# KiCad board chocofi-switch_plate.kicad_pcb
title: Chocofi; date: 2023-04-17; rev: 0.2; company: pashutk & krikun98
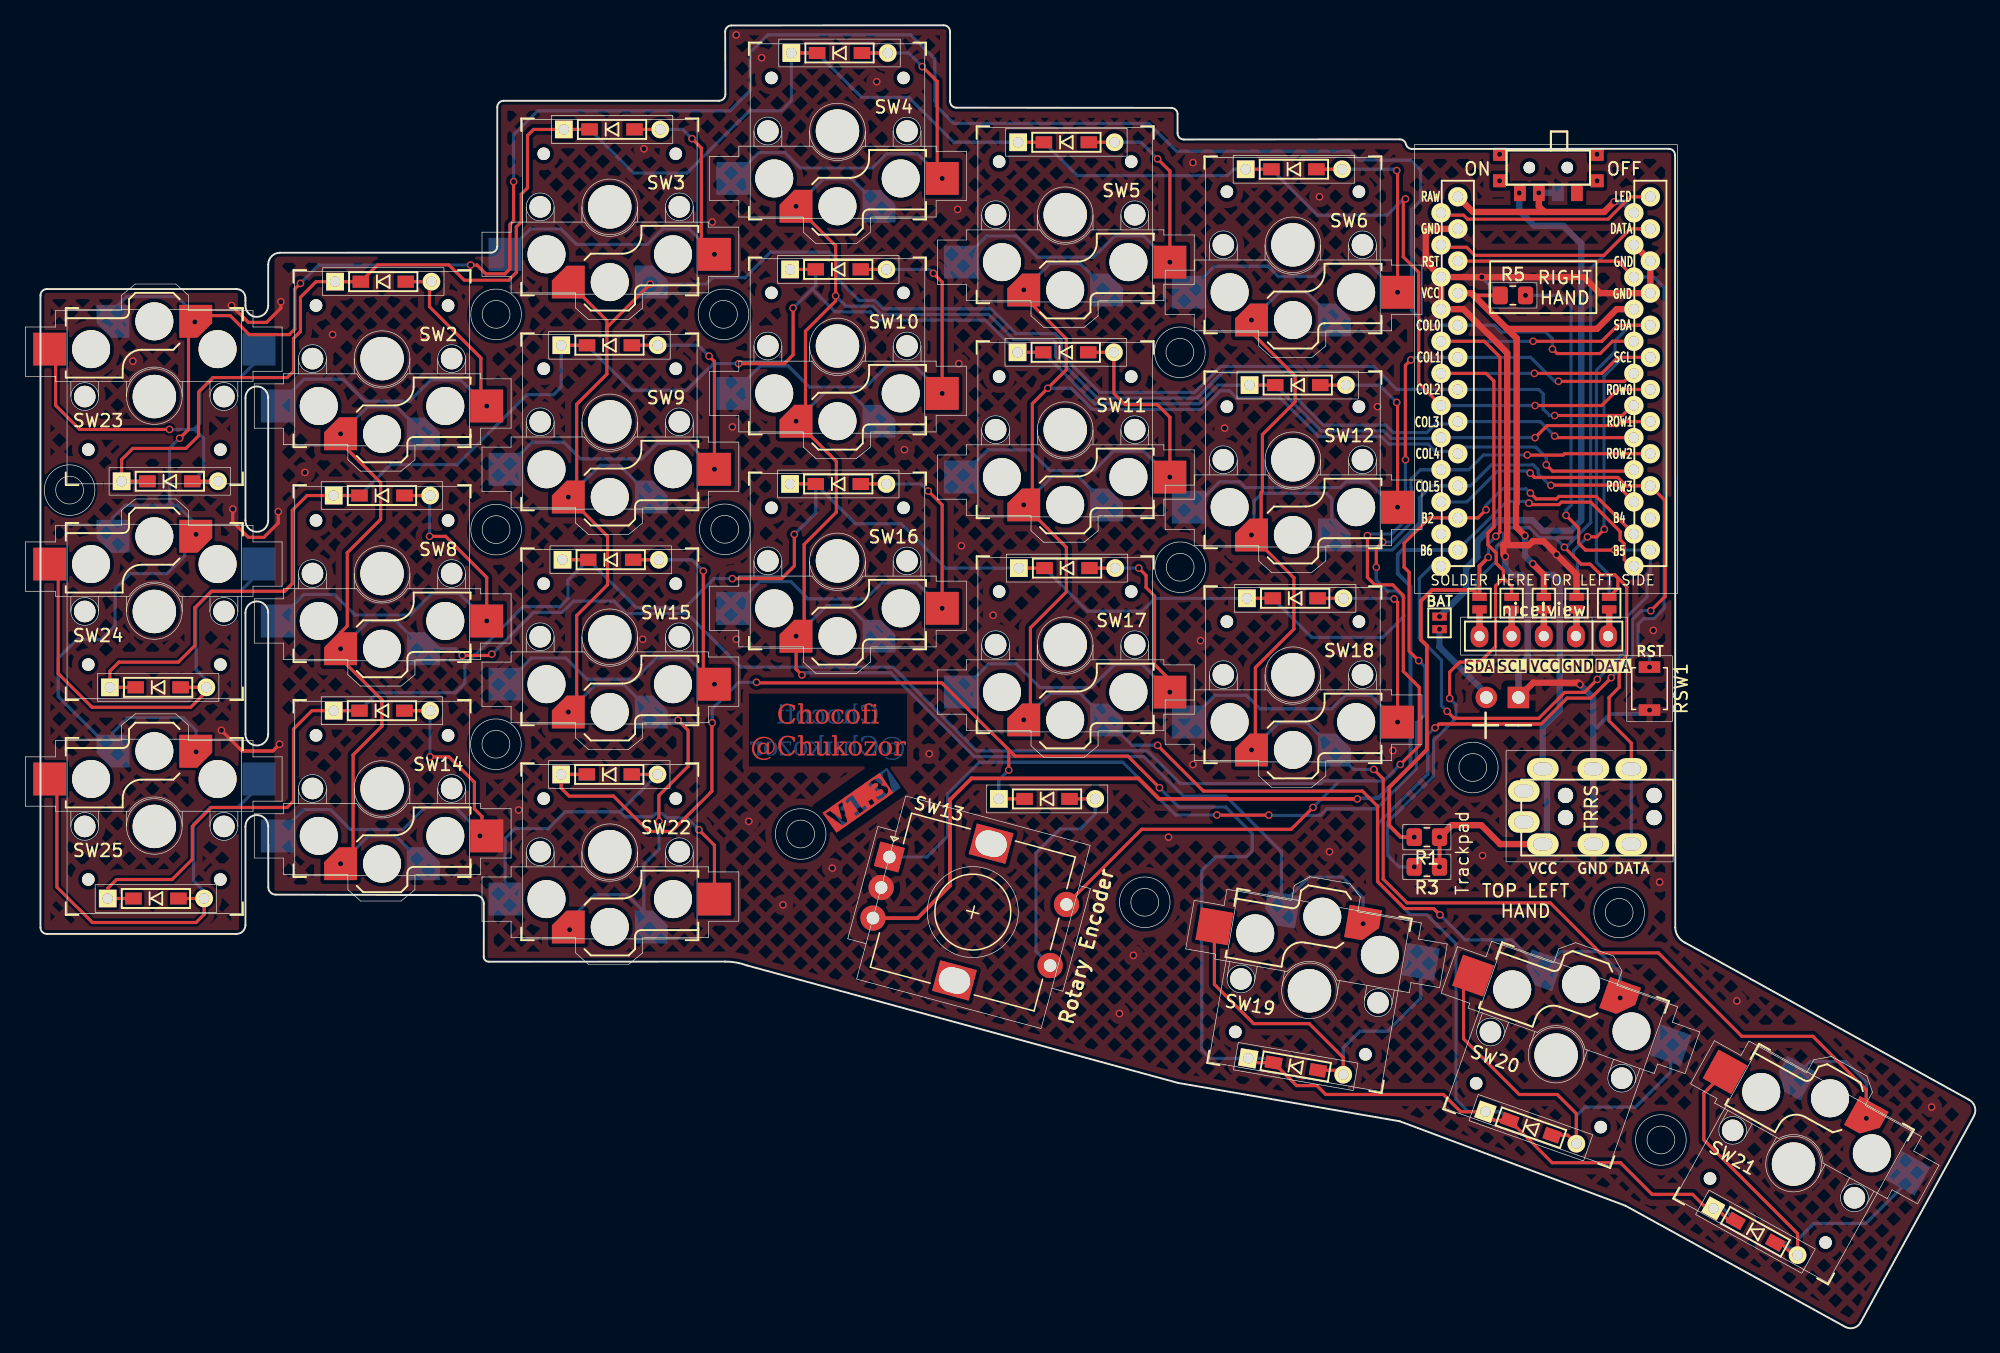
[diagram p0: board, top side]
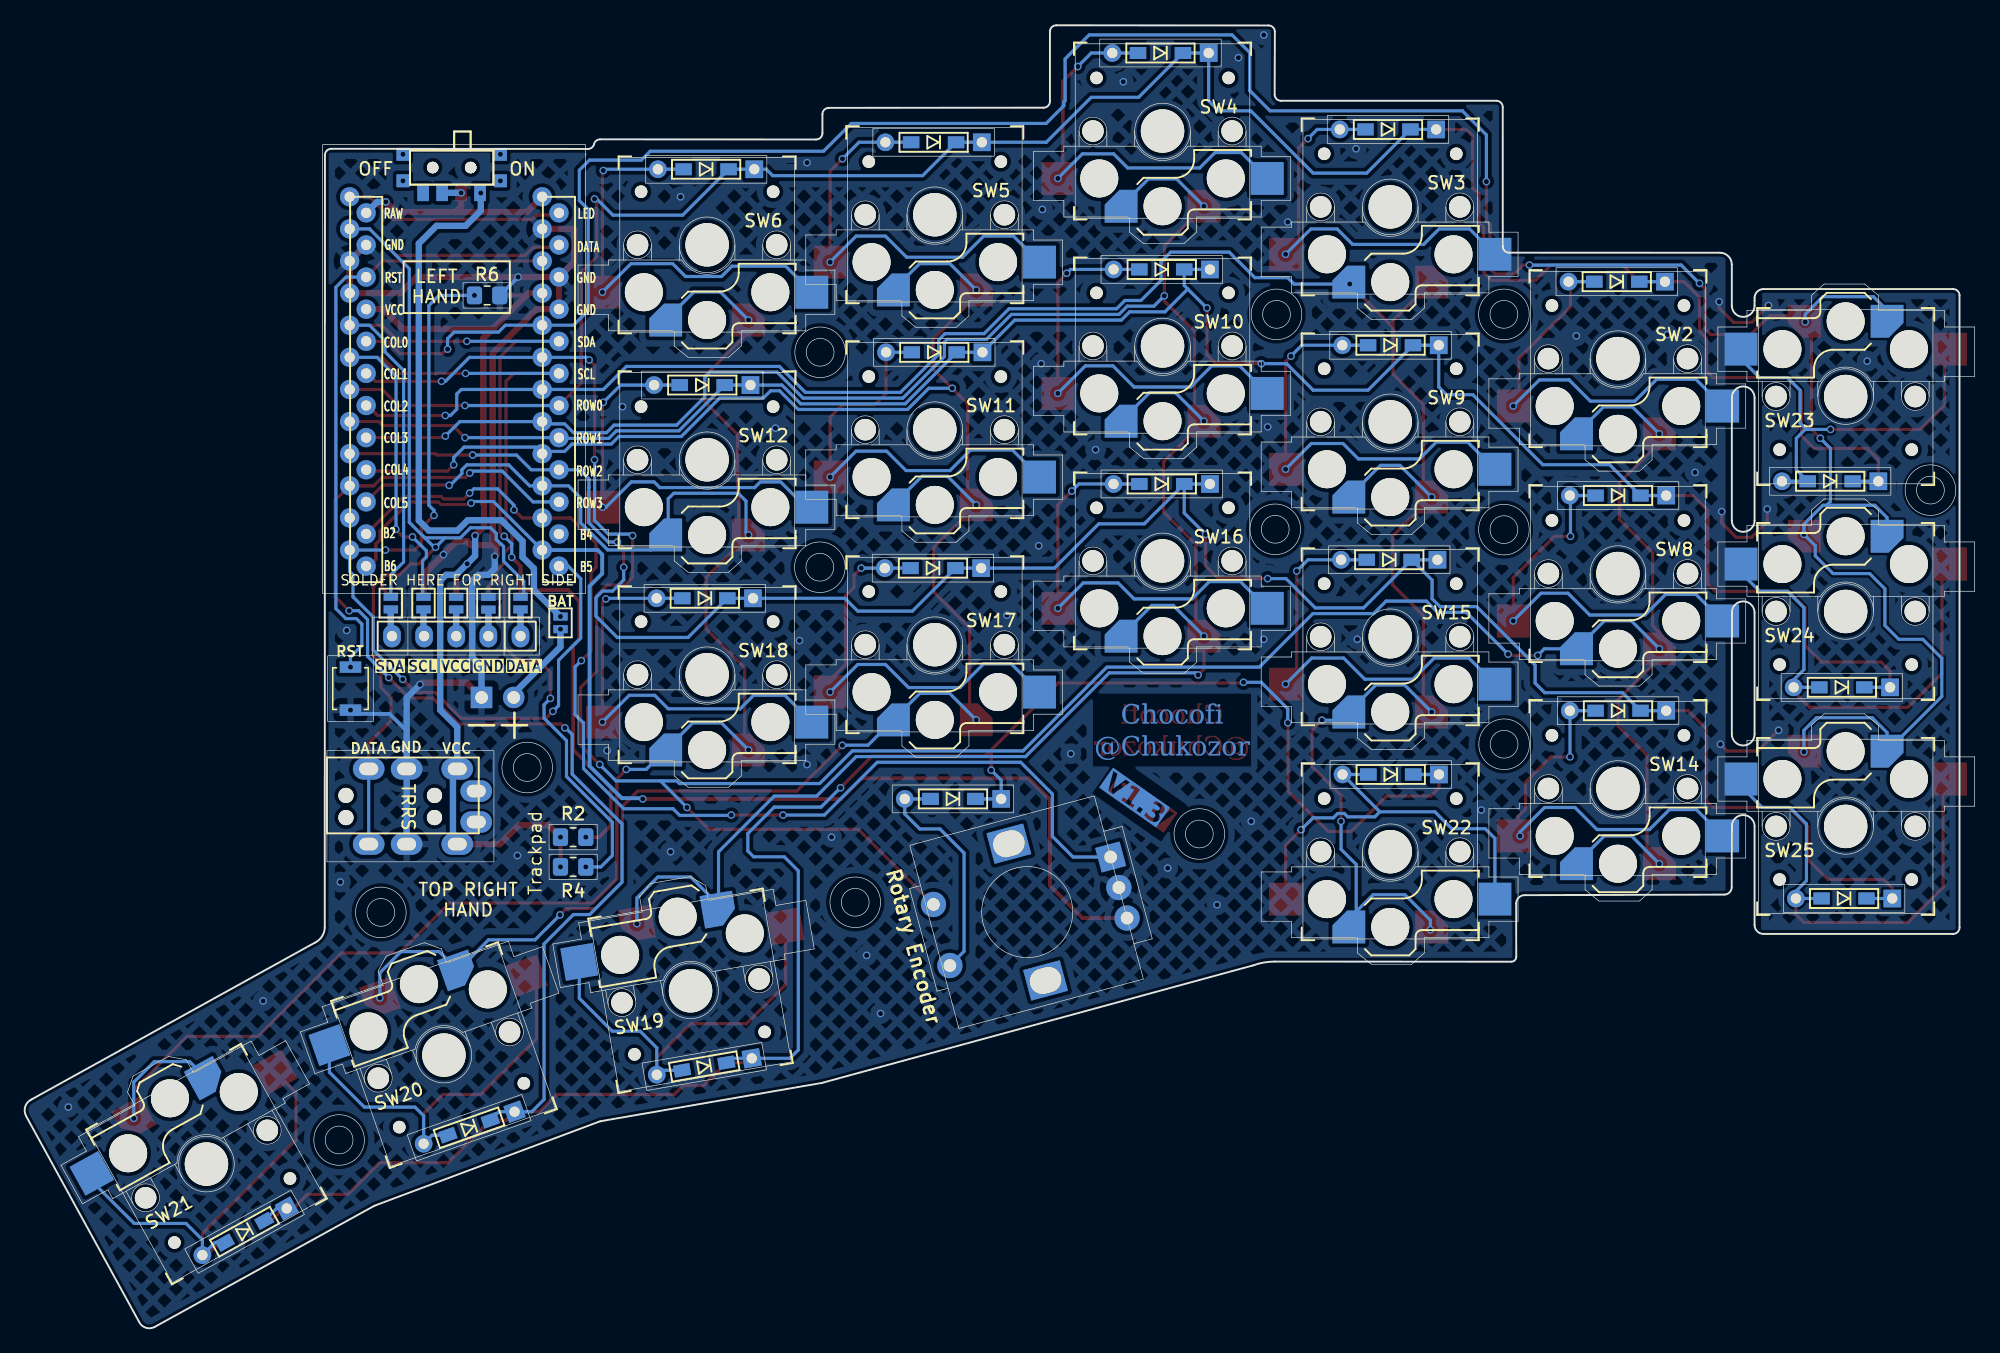
[diagram p1: board, bottom side, seen from below]

Outline 154.09 x 103.01 mm; copper layers: Top, Bottom. Coordinates in mm from the lower left corner of the outline.
Outline path: 35.5,34.21 19.8,34.26 arc(19.38,34.43) 19.21,34.85 19.2,39.65 arc(18.3,40.55) 17.4,39.65 17.4,31.85 arc(17.19,31.35) 16.7,31.15 1.7,31.15 arc(1.35,31.29) 1.2,31.65 1.2,81.65 arc(1.35,82) 1.7,82.15 16.7,82.15 arc(17.19,81.94) 17.4,81.45 17.4,80.85 arc(18.3,79.95) 19.2,80.85 19.2,84.09 arc(19.47,84.75) 20.14,85.02 36.81,85.03 arc(37.16,85.17) 37.31,85.53 37.31,96.54 arc(37.45,96.9) 37.81,97.04 54.84,97.04 arc(55.19,97.19) 55.34,97.54 55.32,102.5 arc(55.47,102.85) 55.82,103 72.6,103.01 arc(72.95,102.87) 73.1,102.51 73.1,97 arc(73.25,96.64) 73.6,96.5 90.58,96.48 arc(90.94,96.33) 91.08,95.98 91.08,94.48 arc(91.23,94.13) 91.58,93.98 108.65,93.99 arc(108.97,93.88) 109.14,93.59 arc(109.32,93.33) 109.62,93.23 129.91,93.24 arc(130.26,93.1) 130.41,92.74 ; 35.51,34.21 arc(36.02,34.04) 36.25,33.55 36.24,29.34 arc(36.35,29.06) 36.63,28.95 55.33,28.96 arc(56.21,28.88) 57.06,28.65 91.13,19.36 108.65,16.33 126.49,9.65 143.89,0.05 arc(144.57,0) 145.09,0.45 154.05,16.78 ; 130.41,92.75 130.42,31.65 ; 130.42,31.65 arc(130.65,30.94) 131.21,30.45 153.61,18.05 arc(154.09,17.5) 154.05,16.78 ; 17.4,73.55 arc(18.3,74.45) 19.2,73.55 19.2,63.85 arc(18.3,62.95) 17.4,63.85 17.4,73.55 ; 17.4,56.55 arc(18.3,57.45) 19.2,56.55 19.2,46.95 arc(18.3,46.05) 17.4,46.95 17.4,56.55
Stack: Top 0.035mm / dielectric 1.51mm FR4 er 4.5 / Bottom 0.035mm

## Placement (name value [footprint] x y rotation side)
D1  D  [chukozor_switch_plate_D3_TH_SMD]  46.16 43.76 0 top
D2  D  [chukozor_switch_plate_D3_TH_SMD]  28.29 82.74 0 top
D3  D  [chukozor_switch_plate_D3_TH_SMD]  46.38 94.78 0 top
D4  D  [chukozor_switch_plate_D3_TH_SMD]  64.36 100.82 0 top
D5  D  [chukozor_switch_plate_D3_TH_SMD]  82.29 93.76 0 top
D6  D  [chukozor_switch_plate_D3_TH_SMD]  100.28 91.63 0 top
D7  D  [chukozor_switch_plate_D3_TH_SMD]  80.77 41.82 0 top
D8  D  [chukozor_switch_plate_D3_TH_SMD]  28.19 65.82 0 top
D9  D  [chukozor_switch_plate_D3_TH_SMD]  46.18 77.71 0 top
D10  D  [chukozor_switch_plate_D3_TH_SMD]  64.26 83.7 0 top
D11  D  [chukozor_switch_plate_D3_TH_SMD]  82.24 77.15 0 top
D12  D  [chukozor_switch_plate_D3_TH_SMD]  100.58 74.56 0 top
D13  D  [chukozor_switch_plate_D3_TH_SMD]  11.43 66.95 0 top
D14  D  [chukozor_switch_plate_D3_TH_SMD]  28.19 48.8 0 top
D15  D  [chukozor_switch_plate_D3_TH_SMD]  46.28 60.74 0 top
D16  D  [chukozor_switch_plate_D3_TH_SMD]  64.26 66.73 0 top
D17  D  [chukozor_switch_plate_D3_TH_SMD]  82.35 60.08 0 top
D18  D  [chukozor_switch_plate_D3_TH_SMD]  100.38 57.69 0 top
D19  D  [chukozor_switch_plate_D3_TH_SMD]  100.42 20.66 350.2 top
D20  D  [chukozor_switch_plate_D3_TH_SMD]  119.01 15.82 340.6 top
D21  D  [chukozor_switch_plate_D3_TH_SMD]  136.76 7.59 331 top
D22  D  [chukozor_switch_plate_D3_TH_SMD]  10.5 50.65 0 top
D23  D  [chukozor_switch_plate_D3_TH_SMD]  10.33 33.95 0 top
H1  MountingHole  [2.2Export_edgecuts_mountingHole_chukozor.pretty]  91.27 77.15 0 top
H2  MountingHole  [2.2Export_edgecuts_mountingHole_chukozor.pretty]  91.29 60.15 0 top
H3  MountingHole  [2.2Export_edgecuts_mountingHole_chukozor.pretty]  125.99 32.85 0 top
H4  MountingHole  [2.2Export_edgecuts_mountingHole_chukozor.pretty]  37.22 80.15 0 top
H5  MountingHole  [2.2Export_edgecuts_mountingHole_chukozor.pretty]  37.22 63.12 0 top
H6  MountingHole  [2.2Export_edgecuts_mountingHole_chukozor.pretty]  61.29 39.05 0 top
H7  MountingHole  [2.2Export_edgecuts_mountingHole_chukozor.pretty]  88.49 33.65 0 top
H8  MountingHole  [2.2Export_edgecuts_mountingHole_chukozor.pretty]  55.19 80.15 0 top
H9  MountingHole  [2.2Export_edgecuts_mountingHole_chukozor.pretty]  55.29 63.15 90 top
H10  MountingHole  [2.2Export_edgecuts_mountingHole_chukozor.pretty]  114.42 44.31 0 top
H11  MountingHole  [2.2Export_edgecuts_mountingHole_chukozor.pretty]  37.2 46.15 0 top
H12  MountingHole  [2.2Export_edgecuts_mountingHole_chukozor.pretty]  129.29 14.85 0 top
H13  MountingHole  [2.2Export_edgecuts_mountingHole_chukozor.pretty]  3.5 66.25 0 top
J1  MJ-4PP-9  [switch_plate_chukozor_MJ-4PP-9]  130.25 40.35 270 top
J2  Conn_01x05  [chukozor_switch_plate_nice_view_1side]  114.95 54.7 0 top
J3  Conn_01x02_Female  [Battery_TH]  118.03 49.85 270 top
JP1  SDA  [Jumper]  114.95 57.31 270 top
JP2  GND  [Jumper]  117.49 57.3 270 bottom
JP3  SCL  [Jumper]  117.49 57.31 270 top
JP4  VCC  [Jumper]  120.04 57.31 270 bottom
JP5  VCC  [Jumper]  120.04 57.31 270 top
JP6  SCL  [Jumper]  122.62 57.31 270 bottom
JP7  GND  [Jumper]  122.62 57.31 270 top
JP8  SDA  [Jumper]  125.2 57.31 270 bottom
JP9  SolderJumper_2_Open  [Jumper]  111.79 55.75 90 top
JP10  SolderJumper_2_Open  [Jumper]  111.79 55.75 90 bottom
JP11  CS  [Jumper]  125.2 57.31 270 top
JP12  CS  [Jumper]  114.95 57.31 270 bottom
NOREF  -  [unnamed]  47.94 43.75 0 bottom
NOREF#2  -  [unnamed]  82.54 41.82 0 bottom
NOREF#3  -  [unnamed#2]  78.99 41.82 0 bottom
NOREF#4  -  [unnamed#2]  44.39 43.75 0 bottom
R1  4.7k  [chukozor_switch_plate_Resistances_ChukozorR_0805]  110.79 38.8 180 top
R2  4.7k  [R_0805]  110.79 38.8 180 bottom
R3  4.7k  [chukozor_switch_plate_Resistances_ChukozorR_0805]  110.79 36.45 180 top
R4  4.7k  [R_0805]  110.79 36.45 180 bottom
R5  4.7k  [chukozor_switch_plate_Resistances_ChukozorR_0805]  117.59 81.65 0 top
R6  4.7k  [R_0805]  117.59 81.65 180 bottom
RSW1  SW_PUSH  [chukozor_switch_plate_SW_SPST_B3U-1000P]  128.39 50.55 270 top
RSW2  SW_PUSH  [SW_SPST_B3U-1000P]  128.39 50.55 270 bottom
SW1  SW_SPDT  [SW_SPDT+H-MSK12C01_hor(7pin_SMD)_REV]  120.39 91.76 180 top
SW2  SW_PUSH  [Chukozor_switch_plate-Khail_chocv1]  28.2 76.65 0 top
SW3  SW_PUSH  [Chukozor_switch_plate-Khail_chocv1]  46.2 88.65 0 top
SW4  SW_PUSH  [Chukozor_switch_plate-Khail_chocv1]  64.2 94.65 0 top
SW5  SW_PUSH  [Chukozor_switch_plate-Khail_chocv1]  82.2 88.03 0 top
SW6  SW_PUSH  [Chukozor_switch_plate-Khail_chocv1]  100.2 85.65 0 top
SW7  SW_SPDT  [SW_SPDT+H-MSK12C01_hor(7pin_SMD)_REV]  120.39 91.76 0 bottom
SW8  SW_PUSH  [Chukozor_switch_plate-Khail_chocv1]  28.2 59.65 0 top
SW9  SW_PUSH  [Chukozor_switch_plate-Khail_chocv1]  46.2 71.65 0 top
SW10  SW_PUSH  [Chukozor_switch_plate-Khail_chocv1]  64.2 77.65 0 top
SW11  SW_PUSH  [Chukozor_switch_plate-Khail_chocv1]  82.2 71.03 0 top
SW12  SW_PUSH  [Chukozor_switch_plate-Khail_chocv1]  100.2 68.65 0 top
SW13  RotaryEncoder_Switch  [chukozor_switch_plate_RotaryEncoder_Alps_EC12E-Switch_Vertical_H20mm]  68.3 37.23 345 top
SW14  SW_PUSH  [Chukozor_switch_plate-Khail_chocv1]  28.2 42.65 0 top
SW15  SW_PUSH  [Chukozor_switch_plate-Khail_chocv1]  46.2 54.65 0 top
SW16  SW_PUSH  [Chukozor_switch_plate-Khail_chocv1]  64.2 60.65 0 top
SW17  SW_PUSH  [Chukozor_switch_plate-Khail_chocv1]  82.2 54.02 0 top
SW18  SW_PUSH  [Chukozor_switch_plate-Khail_chocv1]  100.2 51.65 0 top
SW19  SW_PUSH  [Chukozor_switch_plate-Khail_chocv1]  101.51 26.65 170.2 top
SW20  SW_PUSH  [Chukozor_switch_plate-Khail_chocv1]  121 21.56 160.6 top
SW21  SW_PUSH  [Chukozor_switch_plate-Khail_chocv1]  139.77 12.94 151 top
SW22  SW_PUSH  [Chukozor_switch_plate-Khail_chocv1]  46.2 37.65 0 top
SW23  SW_PUSH  [Chukozor_switch_plate-Khail_chocv1]  10.2 73.65 180 top
SW24  SW_PUSH  [Chukozor_switch_plate-Khail_chocv1]  10.2 56.65 180 top
SW25  SW_PUSH  [Chukozor_switch_plate-Khail_chocv1]  10.2 39.65 180 top
U1  ProMicro  [chukozor_switch_plate_ProMicro_v2]  120.8 74.97 0 top

## Library data of the parts
D1-D23 = -: ki_fp_filters: TO-???* *_Diode_* *SingleDiode* D_*
H1-H13 = -: Description: Mounting Hole without connection; ki_fp_filters: MountingHole*
J2 J3 = -: ki_fp_filters: Connector*:*_1x??_*
JP1-JP12 = -: ki_fp_filters: SolderJumper*Open*
R1-R4 = -: Description: Resistor; ki_fp_filters: R_*
R5 = -: Description: Handedness pin resistor for left hand; ki_fp_filters: R_*
R6 = -: Description: Handedness pin resistor for right hand; ki_fp_filters: R_*
SW13 = -: Description: Rotary encoder, dual channel, incremental quadrate outputs, with switch; ki_fp_filters: RotaryEncoder*Switch*

## Footprints (pads in the part's own frame, mm; a bottom-side part is the same pattern mirrored in y, then rotated)
Battery_TH
  rect 1.7x1.7 hole 1: 1(0,0)
  oval 1.7x1.7 hole 1: 2(0,-2.54)
Chukozor_switch_plate-Khail_chocv1
  round 1.702 hole 1.702 unplated: (-5.5,0) (5.5,0)
  round 0.991 hole 0.991 unplated: (-5.22,4.2) (5.22,4.2)
  round 3 hole 3 unplated: (-5,-3.75) (0,-5.95) (5,-3.75)
  round 3.429 hole 3.429 unplated: (0,0)
  rrect 2.6x2.6 smd: 1(-3.275,-5.95)
  rrect 2.6x2.6 smd far side: 1(3.275,-5.95)
  rect 2.6x2.6 smd far side: 2(-8.275,-3.75)
  rect 2.6x2.6 smd: 2(8.275,-3.75)
chukozor_switch_plate_D3_TH_SMD
  rect 1.397x1.397 hole 0.813: 1(-3.81,0)
  rect 1.3x0.95 smd: 1(-1.775,0) 2(1.775,0)
  rect 1.3x0.95 smd far side: 1(-1.775,0) 2(1.775,0)
  round 1.397 hole 0.813: 2(3.81,0)
chukozor_switch_plate_nice_view_1side
  oval 1.397x1.778 hole 0.813: 1(0,0) 2(2.54,0) 3(5.08,0) 4(7.62,0) 5(10.16,0)
chukozor_switch_plate_ProMicro_v2
  round 1.524 hole 0.813: 1(-8.89,13.208) 1(7.656,14.478) 2(-8.89,10.668) 2(7.656,11.938) 3(-8.89,8.128) 3(7.656,9.398) 4(-8.89,5.588) 4(7.656,6.858) 5(-8.89,3.048) 5(7.656,4.318) 6(-8.89,0.508) 6(7.656,1.778) 7(-8.89,-2.032) 7(7.656,-0.762) 8(-8.89,-4.572) 8(7.656,-3.302) 9(-8.89,-7.112) 9(7.656,-5.842) 10(-8.89,-9.652) 10(7.656,-8.382) 11(-8.89,-12.192) 11(7.656,-10.922) 12(-8.89,-14.732) 12(7.656,-13.462) 13(-7.564,-13.462) 13(6.35,-14.732) 14(-7.564,-10.922) 14(6.35,-12.192) 15(-7.564,-8.382) 15(6.35,-9.652) 16(-7.564,-5.842) 16(6.35,-7.112) 17(-7.564,-3.302) 17(6.35,-4.572) 18(-7.564,-0.762) 18(6.35,-2.032) 19(-7.564,1.778) 19(6.35,0.508) 20(-7.564,4.318) 20(6.35,3.048) 21(-7.564,6.858) 21(6.35,5.588) 22(-7.564,9.398) 22(6.35,8.128) 23(-7.564,11.938) 23(6.35,10.668) 24(-7.564,14.478) 24(6.35,13.208)
chukozor_switch_plate_Resistances_ChukozorR_0805
  rrect 1.2x1.4 smd: 1(-1,0) 2(1,0)
chukozor_switch_plate_RotaryEncoder_Alps_EC12E-Switch_Vertical_H20mm
  rect 2x2 hole 1: A(0,0)
  round 2 hole 1: B(0,-5) C(0,-2.5) S1(14.5,0) S2(14.5,-5)
  rect 3x2.5 hole 2.5x2: MP(7.5,3.1) MP(7.5,-8.1)
chukozor_switch_plate_SW_SPST_B3U-1000P
  rect 0.9x1.7 smd: 1(-1.7,0) 2(1.7,0)
Jumper
  rect 0.635x1.143 smd: 1(-0.5,0) 2(0.5,0)
R_0805
  rrect 1.2x1.4 smd: 1(-1,0) 2(1,0)
SW_SPDT+H-MSK12C01_hor(7pin_SMD)_REV
  round 0.9 hole 0.9 unplated: (-1.5,0) (1.5,0)
  rect 0.9x1.3 smd: 1(-2.25,2) 2(0.75,2) 3(2.25,2)
  rect 0.9x1.3 smd far side: 1(-2.25,2) 2(-0.75,2) 3(2.25,2)
  rect 1x1 smd: H(-3.85,1.05) H(-3.85,-1.05) H(3.85,1.05) H(3.85,-1.05)
  rect 1x1 smd far side: H(-3.85,1.05) H(-3.85,-1.05) H(3.85,1.05) H(3.85,-1.05)
SW_SPST_B3U-1000P
  rect 0.9x1.7 smd: 1(-1.7,0) 2(1.7,0)
switch_plate_chukozor_MJ-4PP-9
  round 1.2 hole 1.2 unplated: (-1.75,-1.5) (-1.75,-8.5) (0,-1.5) (0,-8.5)
  oval 1.7x2.5 hole 1x1.5: A(-2.1,-11.8) A(0.35,-11.8) B(-3.85,-3.3) B(2.1,-3.3) C(-3.85,-6.3) C(2.1,-6.3) D(-3.85,-10.3) D(2.1,-10.3)
unnamed
  rect 1.3x0.95 smd: 2(0,0)
unnamed#2
  rect 1.3x0.95 smd: 1(0,0)

## Nets
GND: J1.C J3.1 JP2.1 JP7.1 R6.2 RSW1.2 RSW2.2 SW13.C U1.3 U1.4 U1.23
VCC: J1.D JP4.1 JP5.1 R1.1 R2.1 R3.1 R4.1 R5.1 U1.21
Battery 5v: SW1.1 SW7.3
col0: SW23.1 SW24.1 SW25.1 U1.20
col1: SW2.1 SW8.1 SW13.S1 SW14.1 U1.19
col2: SW3.1 SW9.1 SW15.1 SW22.1 U1.18
col3: SW4.1 SW10.1 SW16.1 SW19.1 U1.17
col4: SW5.1 SW11.1 SW17.1 SW20.1 U1.16
col5: SW6.1 SW12.1 SW18.1 SW21.1 U1.15
data: J1.B JP11.1 JP12.1 U1.2
ENCA: SW13.A U1.14
ENCB: SW13.B U1.13
Handedness: R5.2 R6.1 U1.12
LED: U1.1
RAW: SW1.2 SW7.2 U1.24
reset: RSW1.1 RSW2.1 U1.22
row0: D2.1 D3.1 D4.1 D5.1 D6.1 D13.1 U1.7
row1: D8.1 D9.1 D10.1 D11.1 D12.1 D22.1 U1.8
row2: D14.1 D15.1 D16.1 D17.1 D18.1 D23.1 U1.9
row3: D1.1 D7.1 D19.1 D20.1 D21.1 NOREF#3.1 NOREF#4.1 U1.10
SCL: JP3.1 JP6.1 R3.2 R4.2 U1.6
SDA: JP1.1 JP8.1 R1.2 R2.2 U1.5
Net-(D1-A): D1.2 NOREF.2 SW22.2
Net-(D2-A): D2.2 SW2.2
Net-(D3-A): D3.2 SW3.2
Net-(D4-A): D4.2 SW4.2
Net-(D5-A): D5.2 SW5.2
Net-(D6-A): D6.2 SW6.2
Net-(D7-A): D7.2 NOREF#2.2 SW13.S2
Net-(D8-A): D8.2 SW8.2
Net-(D9-A): D9.2 SW9.2
Net-(D10-A): D10.2 SW10.2
Net-(D11-A): D11.2 SW11.2
Net-(D12-A): D12.2 SW12.2
Net-(D13-A): D13.2 SW23.2
Net-(D14-A): D14.2 SW14.2
Net-(D15-A): D15.2 SW15.2
Net-(D16-A): D16.2 SW16.2
Net-(D17-A): D17.2 SW17.2
Net-(D18-A): D18.2 SW18.2
Net-(D19-A): D19.2 SW19.2
Net-(D20-A): D20.2 SW20.2
Net-(D21-A): D21.2 SW21.2
Net-(D22-A): D22.2 SW24.2
Net-(D23-A): D23.2 SW25.2
Net-(J2-Pin_1): J2.1 JP1.2 JP12.2
Net-(J2-Pin_2): J2.2 JP2.2 JP3.2
Net-(J2-Pin_3): J2.3 JP4.2 JP5.2
Net-(J2-Pin_4): J2.4 JP6.2 JP7.2
Net-(J2-Pin_5): J2.5 JP8.2 JP11.2
Net-(J3-Pin_2): J3.2 JP9.1 JP10.1
Net-(JP10-B): JP9.2 JP10.2 SW1.3 SW7.1

Pads without a net: J1 A; SW1 H; SW7 H; SW13 MP; U1 11

## Via types
v1: diameter 0.6, hole 0.4, Top to Bottom, 180 vias
